# KiCad board haptic display 8x8 aisler.kicad_pcb (continued)
## Routing (per net, layer and track width the routed paths; a pad name or vN(x,y) marks a point on that pad's centre or on a via; arc(x,y) is an arc through that point) (continued)
  In2.Cu w0.15: 35.41,123.98 35.36,123.96 35,123.6 35,123.55 34.79,123.56 34.59,123.6 34.39,123.67 34.2,123.76 34.03,123.88 33.88,124.03 33.75,124.19 33.64,124.38 33.56,124.58 33.51,124.79 33.49,125 33.5,125.22 33.54,125.43 33.61,125.64 33.71,125.83 33.84,126.01 33.99,126.17 34.16,126.31 34.35,126.42 34.56,126.5 34.78,126.55 35,126.58 35.22,126.56 35.45,126.52 35.66,126.45 35.86,126.34 36.05,126.21 36.22,126.05 36.36,125.87 36.47,125.67 36.56,125.46 36.62,125.23 36.64,125 36.63,124.77 36.58,124.54 36.51,124.31 36.4,124.1 36.26,123.91 36.09,123.74 35.91,123.59 35.7,123.47 35.48,123.38 35.24,123.32 35,123.3 34.78,123.31 34.56,123.35 34.34,123.41 34.14,123.51 33.95,123.63 33.78,123.78 33.62,123.94 33.49,124.13 33.39,124.33 33.31,124.55 33.26,124.77 33.24,125 33.25,125.23 33.29,125.46 33.36,125.68 33.46,125.89 33.58,126.09 33.73,126.27 33.9,126.43 34.1,126.56 34.31,126.67 34.53,126.75 34.76,126.8 35,126.83 35.24,126.81 35.48,126.77 35.7,126.7 35.92,126.6 36.13,126.47 36.31,126.31 36.48,126.13 36.62,125.93 36.73,125.72 36.81,125.49 36.87,125.25 36.89,125 36.88,124.75 36.83,124.51 36.76,124.27 36.65,124.05 36.52,123.84 36.36,123.64 36.17,123.47 35.96,123.33 35.74,123.21 35.5,123.13 35.25,123.07 35,123.05 34.76,123.06 34.53,123.1 34.3,123.16 34.08,123.26 33.88,123.38 33.69,123.52 33.52,123.68 33.36,123.87 33.24,124.07 33.13,124.29 33.06,124.52 33.01,124.76 32.99,125 33,125.24 33.04,125.48 33.1,125.72 33.2,125.94 33.32,126.16 33.47,126.35 33.64,126.53 33.83,126.69 34.04,126.82 34.27,126.93 34.51,127.01 34.75,127.06 35,127.08 35.25,127.06 35.5,127.02 35.74,126.95 35.97,126.85 36.19,126.73 36.4,126.57 36.58,126.4 36.74,126.2 36.88,125.98 36.99,125.75 37.07,125.51 37.12,125.26 37.14,125 37.13,124.74 37.08,124.49 37.01,124.24 36.91,124 36.78,123.77 36.62,123.56 36.44,123.37 36.24,123.21 36.01,123.07 35.78,122.96 35.52,122.87 35.26,122.82 35,122.8 34.75,122.81 34.51,122.85 34.27,122.91 34.04,123 33.82,123.12 33.61,123.26 33.42,123.42 33.25,123.61 33.1,123.81 32.98,124.03 32.88,124.26 32.8,124.5 32.76,124.75 32.74,125 32.75,125.25 32.79,125.51 32.85,125.75 32.95,125.99 33.07,126.22 33.21,126.43 33.38,126.62 33.57,126.8 33.77,126.95 34,127.08 34.24,127.18 34.48,127.26 34.74,127.31 35,127.33 35.26,127.31 35.52,127.28 35.77,127.21 36.02,127.11 36.25,126.99 36.47,126.84 36.67,126.67 36.85,126.47 37,126.26 37.13,126.03 37.24,125.78 37.32,125.53 37.37,125.27 37.39,125 37.38,124.73 37.34,124.47 37.27,124.21 37.17,123.96 37.04,123.72 36.89,123.49 36.71,123.29 36.51,123.11 36.29,122.94 36.06,122.81 35.8,122.7 35.54,122.62 35.27,122.57 35,122.55 34.74,122.56 34.49,122.6 34.24,122.66 34,122.75 33.76,122.86 33.55,123 33.34,123.16 33.15,123.34 32.99,123.54 32.84,123.75 32.72,123.98 32.62,124.23 32.55,124.48 32.51,124.74 32.49,125 32.5,125.26 32.53,125.52 32.6,125.78 32.69,126.03 32.81,126.27 32.95,126.49 33.11,126.7 33.3,126.89 33.5,127.06 33.72,127.21 33.96,127.34 34.21,127.44 34.47,127.51 34.73,127.56 35,127.58 35.27,127.57 35.54,127.53 35.8,127.46 36.05,127.37 36.3,127.25 36.53,127.1 36.74,126.94 36.94,126.75 37.11,126.54 37.27,126.31 37.39,126.07 37.5,125.81 37.57,125.55 37.62,125.28 37.64,125 37.63,124.72 37.59,124.45 37.52,124.18 37.42,123.92 37.3,123.67 37.15,123.44 36.98,123.22 36.79,123.02 36.57,122.84 36.34,122.68 36.09,122.55 35.83,122.44 35.56,122.37 35.28,122.32 35,122.3 34.73,122.31 34.47,122.34 34.21,122.41 33.96,122.49 33.72,122.6 33.49,122.74 33.27,122.89 33.07,123.07 32.89,123.26 32.72,123.48 32.58,123.71 32.46,123.95 32.37,124.2 32.3,124.46 32.25,124.73 32.24,125 32.25,125.27 32.28,125.54 32.35,125.81 32.43,126.06 32.55,126.31 32.68,126.55 32.84,126.77 33.02,126.98 33.23,127.16 33.44,127.33 33.68,127.47 33.92,127.6 34.18,127.69 34.45,127.76 34.72,127.81 35,127.83 35.28,127.82 35.55,127.78 35.82,127.71 36.09,127.62 36.34,127.51 36.58,127.37 36.81,127.2 37.02,127.02 37.21,126.81 37.38,126.59 37.53,126.35 37.65,126.1 37.75,125.83 37.82,125.56 37.87,125.28 37.89,125 37.88,124.72 37.84,124.44 37.77,124.16 37.68,123.89 37.56,123.63 37.42,123.38 37.25,123.15 37.06,122.94 36.85,122.74 36.63,122.57 36.38,122.42 36.12,122.29 35.85,122.19 35.57,122.11 35.29,122.07 35,122.05 34.73,122.06 34.46,122.09 34.19,122.15 33.93,122.24 33.68,122.34 33.44,122.47 33.21,122.63 32.99,122.8 32.8,122.99 32.62,123.2 32.46,123.43 32.32,123.67 32.2,123.92 32.11,124.18 32.05,124.45 32,124.72 31.99,125 32,125.28 32.03,125.55 32.09,125.83 32.18,126.09 32.29,126.35 32.42,126.6 32.58,126.83 32.75,127.05 32.95,127.25 33.16,127.43 33.39,127.6 33.64,127.74 33.89,127.85 34.16,127.95 34.44,128.02 34.72,128.06 35,128.07 35.28,128.07 35.57,128.03 35.84,127.97 36.12,127.88 36.38,127.77 36.63,127.63 36.87,127.47 37.09,127.29 37.3,127.09 37.48,126.88 37.65,126.64 37.79,126.39 37.91,126.13 38.01,125.86 38.08,125.58 38.12,125.29 38.14,125 38.13,124.71 38.09,124.42 38.03,124.14 37.94,123.86 37.83,123.59 37.69,123.34 37.52,123.09 37.34,122.87 37.14,122.66 36.91,122.47 36.67,122.3 36.42,122.15 36.15,122.03 35.87,121.93 35.59,121.86 35.29,121.82 35,121.8 34.72,121.81 34.44,121.84 34.17,121.9 33.9,121.98 33.64,122.08 33.39,122.21 33.15,122.36 32.93,122.53 32.72,122.72 32.52,122.92 32.35,123.14 32.19,123.38 32.06,123.63 31.95,123.89 31.86,124.16 31.79,124.43 31.75,124.72 31.74,125 31.75,125.28 31.78,125.57 31.84,125.85 31.92,126.12 32.03,126.39 32.16,126.64 32.31,126.89 32.48,127.11 32.67,127.33 32.88,127.53 33.11,127.7 33.35,127.86 33.6,128 33.87,128.11 34.14,128.2 34.42,128.27 34.71,128.31 35,128.32 35.29,128.32 35.58,128.28 35.86,128.22 36.14,128.14 36.41,128.03 36.67,127.9 36.92,127.74 37.16,127.57 37.37,127.37 37.57,127.16 37.75,126.93 37.92,126.68 38.05,126.42 38.17,126.15 38.26,125.87 38.33,125.59 38.37,125.29 38.39,125 38.38,124.7 38.34,124.41 38.28,124.12 38.2,123.84 38.09,123.56 37.95,123.3 37.79,123.04 37.62,122.8 37.42,122.58 37.2,122.38 36.96,122.19 36.71,122.03 36.45,121.89 36.18,121.77 35.89,121.68 35.6,121.61 35.3,121.57 35,121.55 34.71,121.56 34.43,121.59 34.15,121.65 33.88,121.72 33.61,121.83 33.35,121.95 33.1,122.09 32.86,122.26 32.64,122.44 32.44,122.64 32.25,122.86 32.08,123.09 31.93,123.34 31.8,123.6 31.69,123.86 31.6,124.14 31.54,124.42 31.5,124.71 31.49,125 31.5,125.29 31.53,125.58 31.59,125.86 31.67,126.14 31.77,126.42 31.89,126.68 32.04,126.93 32.21,127.17 32.39,127.4 32.6,127.61 32.82,127.8 33.06,127.97 33.31,128.13 33.57,128.26 33.84,128.37 34.12,128.46 34.41,128.52 34.71,128.56 35,128.57 35.3,128.57 35.59,128.53 35.88,128.48 36.17,128.39 36.44,128.29 36.71,128.16 36.97,128.01 37.21,127.84 37.44,127.65 37.65,127.44 37.85,127.22 38.03,126.98 38.18,126.72 38.32,126.45 38.43,126.18 38.52,125.89 38.58,125.6 38.62,125.3 38.64,125 38.63,124.7 38.59,124.4 38.54,124.1 38.45,123.81 38.35,123.53 38.22,123.26 38.06,123 37.89,122.75 37.7,122.52 37.49,122.3 37.26,122.1 37.01,121.92 36.75,121.76 36.48,121.63 36.2,121.51 35.91,121.42 35.61,121.36 35.31,121.32 35,121.3 34.71,121.31 34.42,121.34 34.13,121.39 33.85,121.47 33.58,121.57 33.31,121.69 33.06,121.83 32.81,121.99 32.58,122.17 32.36,122.36 32.16,122.57 31.98,122.8 31.81,123.05 31.66,123.3 31.54,123.57 31.43,123.84 31.35,124.12 31.29,124.41 31.25,124.71 31.24,125 31.25,125.3 31.28,125.59 31.33,125.88 31.41,126.17 31.51,126.45 31.63,126.72 31.77,126.98 31.94,127.23 32.12,127.46 32.32,127.68 32.53,127.89 32.77,128.07 33.01,128.24 33.27,128.39 33.54,128.52 33.82,128.63 34.11,128.71 34.4,128.77 34.7,128.81 35,128.82 35.3,128.82 35.6,128.78 35.9,128.73 36.19,128.65 36.47,128.55 36.75,128.42 37.01,128.28 37.26,128.11 37.5,127.93 37.73,127.73 37.93,127.51 38.12,127.27 38.3,127.02 38.45,126.76 38.58,126.48 38.69,126.2 38.77,125.91 38.83,125.61 38.87,125.3 38.89,125 38.88,124.69 38.85,124.39 38.79,124.09 38.71,123.79 38.61,123.51 38.48,123.23 38.33,122.96 38.17,122.7 37.98,122.46 37.77,122.23 37.55,122.02 37.31,121.82 37.05,121.65 36.78,121.5 36.51,121.37 36.22,121.26 35.92,121.17 35.62,121.1 35.31,121.07 35,121.05 34.7,121.06 34.41,121.09 34.12,121.14 33.83,121.21 33.55,121.31 33.28,121.43 33.01,121.56 32.76,121.72 32.52,121.89 32.29,122.08 32.08,122.29 31.88,122.51 31.7,122.75 31.54,123 31.4,123.27 31.28,123.54 31.18,123.82 31.1,124.11 31.04,124.4 31,124.7 30.99,125 31,125.3 31.03,125.6 31.08,125.89 31.15,126.19 31.25,126.47 31.37,126.75 31.51,127.02 31.67,127.27 31.84,127.52 32.04,127.75 32.25,127.97 32.48,128.17 32.72,128.35 32.97,128.51 33.24,128.66 33.52,128.78 33.8,128.88 34.1,128.96 34.39,129.02 34.7,129.06 35,129.07 35.3,129.07 35.61,129.04 35.91,128.98 36.2,128.91 36.49,128.81 36.78,128.69 37.05,128.55 37.31,128.39 37.56,128.21 37.79,128.01 38.01,127.79 38.21,127.56 38.4,127.32 38.57,127.06 38.71,126.79 38.84,126.51 38.94,126.22 39.03,125.92 39.09,125.62 39.12,125.31 39.14,125 39.13,124.69 39.1,124.38 39.04,124.08 38.97,123.78 38.87,123.48 38.74,123.2 38.6,122.92 38.44,122.66 38.26,122.4 38.05,122.17 37.84,121.94 37.6,121.74 37.35,121.55 37.09,121.38 36.81,121.23 36.53,121.1 36.23,121 35.93,120.91 35.63,120.85 35.31,120.81 35,120.8 34.7,120.81 34.4,120.84 34.11,120.89 33.81,120.96 33.53,121.05 33.25,121.16 32.98,121.3 32.72,121.45 32.47,121.62 32.23,121.8 32.01,122.01 31.8,122.23 31.61,122.46 31.43,122.71 31.28,122.97 31.14,123.24 31.02,123.52 30.92,123.8 30.84,124.1 30.79,124.39 30.75,124.7 30.74,125 30.75,125.3 30.78,125.61 30.83,125.91 30.9,126.2 30.99,126.49 31.11,126.78 31.24,127.05 31.4,127.32 31.57,127.57 31.76,127.81 31.96,128.04 32.19,128.25 32.42,128.44 32.67,128.62 32.94,128.78 33.21,128.92 33.49,129.04 33.78,129.14 34.08,129.22 34.39,129.28 34.69,129.31 35,129.32 35.31,129.32 35.62,129.29 35.92,129.23 36.22,129.16 36.52,129.07 36.8,128.95 37.08,128.81 37.35,128.66 37.61,128.48 37.85,128.29 38.08,128.08 38.29,127.85 38.49,127.61 38.67,127.36 38.83,127.09 38.98,126.82 39.1,126.53 39.2,126.23 39.28,125.93 39.34,125.62 39.37,125.31 39.39,125 39.38,124.69 39.35,124.37 39.3,124.07 39.22,123.76 39.12,123.46 39.01,123.17 38.87,122.89 38.71,122.62 38.53,122.36 38.34,122.11 38.12,121.88 37.9,121.66 37.65,121.46 37.39,121.28 37.12,121.11 36.84,120.97 36.55,120.84 36.25,120.74 35.94,120.66 35.63,120.6 35.32,120.56 35,120.55 35,120.35 v1(35.35,120) ; 35.41,108.98 35.36,108.96 35,108.6 35,108.55 34.79,108.56 34.59,108.6 34.39,108.67 34.2,108.76 34.03,108.88 33.88,109.03 33.75,109.19 33.64,109.38 33.56,109.58 33.51,109.79 33.49,110 33.5,110.22 33.54,110.43 33.61,110.64 33.71,110.83 33.84,111.01 33.99,111.17 34.16,111.31 34.35,111.42 34.56,111.5 34.78,111.55 35,111.58 35.22,111.56 35.45,111.52 35.66,111.45 35.86,111.34 36.05,111.21 36.22,111.05 36.36,110.87 36.47,110.67 36.56,110.46 36.62,110.23 36.64,110 36.63,109.77 36.58,109.54 36.51,109.31 36.4,109.1 36.26,108.91 36.09,108.74 35.91,108.59 35.7,108.47 35.48,108.38 35.24,108.32 35,108.3 34.78,108.31 34.56,108.35 34.34,108.41 34.14,108.51 33.95,108.63 33.78,108.78 33.62,108.94 33.49,109.13 33.39,109.33 33.31,109.55 33.26,109.77 33.24,110 33.25,110.23 33.29,110.46 33.36,110.68 33.46,110.89 33.58,111.09 33.73,111.27 33.9,111.43 34.1,111.56 34.31,111.67 34.53,111.75 34.76,111.8 35,111.83 35.24,111.81 35.48,111.77 35.7,111.7 35.92,111.6 36.13,111.47 36.31,111.31 36.48,111.13 36.62,110.93 36.73,110.72 36.81,110.49 36.87,110.25 36.89,110 36.88,109.75 36.83,109.51 36.76,109.27 36.65,109.05 36.52,108.84 36.36,108.64 36.17,108.47 35.96,108.33 35.74,108.21 35.5,108.13 35.25,108.07 35,108.05 34.76,108.06 34.53,108.1 34.3,108.16 34.08,108.26 33.88,108.38 33.69,108.52 33.52,108.68 33.36,108.87 33.24,109.07 33.13,109.29 33.06,109.52 33.01,109.76 32.99,110 33,110.24 33.04,110.48 33.1,110.72 33.2,110.94 33.32,111.16 33.47,111.35 33.64,111.53 33.83,111.69 34.04,111.82 34.27,111.93 34.51,112.01 34.75,112.06 35,112.08 35.25,112.06 35.5,112.02 35.74,111.95 35.97,111.85 36.19,111.73 36.4,111.57 36.58,111.4 36.74,111.2 36.88,110.98 36.99,110.75 37.07,110.51 37.12,110.26 37.14,110 37.13,109.74 37.08,109.49 37.01,109.24 36.91,109 36.78,108.77 36.62,108.56 36.44,108.37 36.24,108.21 36.01,108.07 35.78,107.96 35.52,107.87 35.26,107.82 35,107.8 34.75,107.81 34.51,107.85 34.27,107.91 34.04,108 33.82,108.12 33.61,108.26 33.42,108.42 33.25,108.61 33.1,108.81 32.98,109.03 32.88,109.26 32.8,109.5 32.76,109.75 32.74,110 32.75,110.25 32.79,110.51 32.85,110.75 32.95,110.99 33.07,111.22 33.21,111.43 33.38,111.62 33.57,111.8 33.77,111.95 34,112.08 34.24,112.18 34.48,112.26 34.74,112.31 35,112.33 35.26,112.31 35.52,112.28 35.77,112.21 36.02,112.11 36.25,111.99 36.47,111.84 36.67,111.67 36.85,111.47 37,111.26 37.13,111.03 37.24,110.78 37.32,110.53 37.37,110.27 37.39,110 37.38,109.73 37.34,109.47 37.27,109.21 37.17,108.96 37.04,108.72 36.89,108.49 36.71,108.29 36.51,108.11 36.29,107.94 36.06,107.81 35.8,107.7 35.54,107.62 35.27,107.57 35,107.55 34.74,107.56 34.49,107.6 34.24,107.66 34,107.75 33.76,107.86 33.55,108 33.34,108.16 33.15,108.34 32.99,108.54 32.84,108.75 32.72,108.98 32.62,109.23 32.55,109.48 32.51,109.74 32.49,110 32.5,110.26 32.53,110.52 32.6,110.78 32.69,111.03 32.81,111.27 32.95,111.49 33.11,111.7 33.3,111.89 33.5,112.06 33.72,112.21 33.96,112.34 34.21,112.44 34.47,112.51 34.73,112.56 35,112.58 35.27,112.57 35.54,112.53 35.8,112.46 36.05,112.37 36.3,112.25 36.53,112.1 36.74,111.94 36.94,111.75 37.11,111.54 37.27,111.31 37.39,111.07 37.5,110.81 37.57,110.55 37.62,110.28 37.64,110 37.63,109.72 37.59,109.45 37.52,109.18 37.42,108.92 37.3,108.67 37.15,108.44 36.98,108.22 36.79,108.02 36.57,107.84 36.34,107.68 36.09,107.55 35.83,107.44 35.56,107.37 35.28,107.32 35,107.3 34.73,107.31 34.47,107.34 34.21,107.41 33.96,107.49 33.72,107.6 33.49,107.74 33.27,107.89 33.07,108.07 32.89,108.26 32.72,108.48 32.58,108.71 32.46,108.95 32.37,109.2 32.3,109.46 32.25,109.73 32.24,110 32.25,110.27 32.28,110.54 32.35,110.81 32.43,111.06 32.55,111.31 32.68,111.55 32.84,111.77 33.02,111.98 33.23,112.16 33.44,112.33 33.68,112.47 33.92,112.6 34.18,112.69 34.45,112.76 34.72,112.81 35,112.83 35.28,112.82 35.55,112.78 35.82,112.71 36.09,112.62 36.34,112.51 36.58,112.37 36.81,112.2 37.02,112.02 37.21,111.81 37.38,111.59 37.53,111.35 37.65,111.1 37.75,110.83 37.82,110.56 37.87,110.28 37.89,110 37.88,109.72 37.84,109.44 37.77,109.16 37.68,108.89 37.56,108.63 37.42,108.38 37.25,108.15 37.06,107.94 36.85,107.74 36.63,107.57 36.38,107.42 36.12,107.29 35.85,107.19 35.57,107.11 35.29,107.07 35,107.05 34.73,107.06 34.46,107.09 34.19,107.15 33.93,107.24 33.68,107.34 33.44,107.47 33.21,107.63 32.99,107.8 32.8,107.99 32.62,108.2 32.46,108.43 32.32,108.67 32.2,108.92 32.11,109.18 32.05,109.45 32,109.72 31.99,110 32,110.28 32.03,110.55 32.09,110.83 32.18,111.09 32.29,111.35 32.42,111.6 32.58,111.83 32.75,112.05 32.95,112.25 33.16,112.43 33.39,112.6 33.64,112.74 33.89,112.85 34.16,112.95 34.44,113.02 34.72,113.06 35,113.08 35.28,113.07 35.57,113.03 35.84,112.97 36.12,112.88 36.38,112.77 36.63,112.63 36.87,112.47 37.09,112.29 37.3,112.09 37.48,111.88 37.65,111.64 37.79,111.39 37.91,111.13 38.01,110.86 38.08,110.58 38.12,110.29 38.14,110 38.13,109.71 38.09,109.42 38.03,109.14 37.94,108.86 37.83,108.59 37.69,108.34 37.52,108.09 37.34,107.87 37.14,107.66 36.91,107.47 36.67,107.3 36.42,107.15 36.15,107.03 35.87,106.93 35.59,106.86 35.29,106.82 35,106.8 34.72,106.81 34.44,106.84 34.17,106.9 33.9,106.98 33.64,107.08 33.39,107.21 33.15,107.36 32.93,107.53 32.72,107.72 32.52,107.92 32.35,108.14 32.19,108.38 32.06,108.63 31.95,108.89 31.86,109.16 31.79,109.43 31.75,109.72 31.74,110 31.75,110.28 31.78,110.57 31.84,110.85 31.92,111.12 32.03,111.39 32.16,111.64 32.31,111.89 32.48,112.11 32.67,112.33 32.88,112.53 33.11,112.7 33.35,112.86 33.6,113 33.87,113.11 34.14,113.2 34.42,113.27 34.71,113.31 35,113.33 35.29,113.32 35.58,113.28 35.86,113.22 36.14,113.14 36.41,113.03 36.67,112.9 36.92,112.74 37.16,112.57 37.37,112.37 37.57,112.16 37.75,111.93 37.92,111.68 38.05,111.42 38.17,111.15 38.26,110.87 38.33,110.59 38.37,110.29 38.39,110 38.38,109.7 38.34,109.41 38.28,109.12 38.2,108.84 38.09,108.56 37.95,108.3 37.79,108.04 37.62,107.8 37.42,107.58 37.2,107.38 36.96,107.19 36.71,107.03 36.45,106.89 36.18,106.77 35.89,106.68 35.6,106.61 35.3,106.57 35,106.55 34.71,106.56 34.43,106.59 34.15,106.65 33.88,106.72 33.61,106.83 33.35,106.95 33.1,107.09 32.86,107.26 32.64,107.44 32.44,107.64 32.25,107.86 32.08,108.09 31.93,108.34 31.8,108.6 31.69,108.86 31.6,109.14 31.54,109.42 31.5,109.71 31.49,110 31.5,110.29 31.53,110.58 31.59,110.86 31.67,111.14 31.77,111.42 31.89,111.68 32.04,111.93 32.21,112.17 32.39,112.4 32.6,112.61 32.82,112.8 33.06,112.97 33.31,113.13 33.57,113.26 33.84,113.37 34.12,113.46 34.41,113.52 34.71,113.56 35,113.58 35.3,113.57 35.59,113.53 35.88,113.48 36.17,113.39 36.44,113.29 36.71,113.16 36.97,113.01 37.21,112.84 37.44,112.65 37.65,112.44 37.85,112.22 38.03,111.98 38.18,111.72 38.32,111.45 38.43,111.18 38.52,110.89 38.58,110.6 38.62,110.3 38.64,110 38.63,109.7 38.59,109.4 38.54,109.1 38.45,108.81 38.35,108.53 38.22,108.26 38.06,108 37.89,107.75 37.7,107.52 37.49,107.3 37.26,107.1 37.01,106.92 36.75,106.76 36.48,106.63 36.2,106.51 35.91,106.42 35.61,106.36 35.31,106.32 35,106.3 34.71,106.31 34.42,106.34 34.13,106.39 33.85,106.47 33.58,106.57 33.31,106.69 33.06,106.83 32.81,106.99 32.58,107.17 32.36,107.36 32.16,107.57 31.98,107.8 31.81,108.05 31.66,108.3 31.54,108.57 31.43,108.84 31.35,109.12 31.29,109.41 31.25,109.71 31.24,110 31.25,110.3 31.28,110.59 31.33,110.88 31.41,111.17 31.51,111.45 31.63,111.72 31.77,111.98 31.94,112.23 32.12,112.46 32.32,112.68 32.53,112.89 32.77,113.07 33.01,113.24 33.27,113.39 33.54,113.52 33.82,113.63 34.11,113.71 34.4,113.77 34.7,113.81 35,113.83 35.3,113.82 35.6,113.78 35.9,113.73 36.19,113.65 36.47,113.55 36.75,113.42 37.01,113.28 37.26,113.11 37.5,112.93 37.73,112.73 37.93,112.51 38.12,112.27 38.3,112.02 38.45,111.76 38.58,111.48 38.69,111.2 38.77,110.91 38.83,110.61 38.87,110.3 38.89,110 38.88,109.69 38.85,109.39 38.79,109.09 38.71,108.79 38.61,108.51 38.48,108.23 38.33,107.96 38.17,107.7 37.98,107.46 37.77,107.23 37.55,107.02 37.31,106.82 37.05,106.65 36.78,106.5 36.51,106.37 36.22,106.26 35.92,106.17 35.62,106.1 35.31,106.07 35,106.05 34.7,106.06 34.41,106.09 34.12,106.14 33.83,106.21 33.55,106.31 33.28,106.43 33.01,106.56 32.76,106.72 32.52,106.89 32.29,107.08 32.08,107.29 31.88,107.51 31.7,107.75 31.54,108 31.4,108.27 31.28,108.54 31.18,108.82 31.1,109.11 31.04,109.4 31,109.7 30.99,110 31,110.3 31.03,110.6 31.08,110.89 31.15,111.19 31.25,111.47 31.37,111.75 31.51,112.02 31.67,112.27 31.84,112.52 32.04,112.75 32.25,112.97 32.48,113.17 32.72,113.35 32.97,113.51 33.24,113.66 33.52,113.78 33.8,113.88 34.1,113.96 34.39,114.02 34.7,114.06 35,114.08 35.3,114.07 35.61,114.04 35.91,113.98 36.2,113.91 36.49,113.81 36.78,113.69 37.05,113.55 37.31,113.39 37.56,113.21 37.79,113.01 38.01,112.79 38.21,112.56 38.4,112.32 38.57,112.06 38.71,111.79 38.84,111.51 38.94,111.22 39.03,110.92 39.09,110.62 39.12,110.31 39.14,110 39.13,109.69 39.1,109.38 39.04,109.08 38.97,108.78 38.87,108.48 38.74,108.2 38.6,107.92 38.44,107.66 38.26,107.4 38.05,107.17 37.84,106.94 37.6,106.74 37.35,106.55 37.09,106.38 36.81,106.23 36.53,106.1 36.23,106 35.93,105.91 35.63,105.85 35.31,105.81 35,105.8 34.7,105.81 34.4,105.84 34.11,105.89 33.81,105.96 33.53,106.05 33.25,106.16 32.98,106.3 32.72,106.45 32.47,106.62 32.23,106.8 32.01,107.01 31.8,107.23 31.61,107.46 31.43,107.71 31.28,107.97 31.14,108.24 31.02,108.52 30.92,108.8 30.84,109.1 30.79,109.39 30.75,109.7 30.74,110 30.75,110.3 30.78,110.61 30.83,110.91 30.9,111.2 30.99,111.49 31.11,111.78 31.24,112.05 31.4,112.32 31.57,112.57 31.76,112.81 31.96,113.04 32.19,113.25 32.42,113.44 32.67,113.62 32.94,113.78 33.21,113.92 33.49,114.04 33.78,114.14 34.08,114.22 34.39,114.28 34.69,114.31 35,114.33 35.31,114.32 35.62,114.29 35.92,114.23 36.22,114.16 36.52,114.07 36.8,113.95 37.08,113.81 37.35,113.66 37.61,113.48 37.85,113.29 38.08,113.08 38.29,112.85 38.49,112.61 38.67,112.36 38.83,112.09 38.98,111.82 39.1,111.53 39.2,111.23 39.28,110.93 39.34,110.62 39.37,110.31 39.39,110 39.38,109.69 39.35,109.37 39.3,109.07 39.22,108.76 39.12,108.46 39.01,108.17 38.87,107.89 38.71,107.62 38.53,107.36 38.34,107.11 38.12,106.88 37.9,106.66 37.65,106.46 37.39,106.28 37.12,106.11 36.84,105.97 36.55,105.84 36.25,105.74 35.94,105.66 35.63,105.6 35.32,105.56 35,105.55 35,105.35 v1(35.35,105) ; 35.41,93.98 35.36,93.96 35,93.6 35,93.55 34.79,93.56 34.59,93.6 34.39,93.67 34.2,93.76 34.03,93.88 33.88,94.03 33.75,94.19 33.64,94.38 33.56,94.58 33.51,94.79 33.49,95 33.5,95.22 33.54,95.43 33.61,95.64 33.71,95.83 33.84,96.01 33.99,96.17 34.16,96.31 34.35,96.42 34.56,96.5 34.78,96.55 35,96.58 35.22,96.56 35.45,96.52 35.66,96.45 35.86,96.34 36.05,96.21 36.22,96.05 36.36,95.87 36.47,95.67 36.56,95.46 36.62,95.23 36.64,95 36.63,94.77 36.58,94.54 36.51,94.31 36.4,94.1 36.26,93.91 36.09,93.74 35.91,93.59 35.7,93.47 35.48,93.38 35.24,93.32 35,93.3 34.78,93.31 34.56,93.35 34.34,93.41 34.14,93.51 33.95,93.63 33.78,93.78 33.62,93.94 33.49,94.13 33.39,94.33 33.31,94.55 33.26,94.77 33.24,95 33.25,95.23 33.29,95.46 33.36,95.68 33.46,95.89 33.58,96.09 33.73,96.27 33.9,96.43 34.1,96.56 34.31,96.67 34.53,96.75 34.76,96.8 35,96.83 35.24,96.81 35.48,96.77 35.7,96.7 35.92,96.6 36.13,96.47 36.31,96.31 36.48,96.13 36.62,95.93 36.73,95.72 36.81,95.49 36.87,95.25 36.89,95 36.88,94.75 36.83,94.51 36.76,94.27 36.65,94.05 36.52,93.84 36.36,93.64 36.17,93.47 35.96,93.33 35.74,93.21 35.5,93.13 35.25,93.07 35,93.05 34.76,93.06 34.53,93.1 34.3,93.16 34.08,93.26 33.88,93.38 33.69,93.52 33.52,93.68 33.36,93.87 33.24,94.07 33.13,94.29 33.06,94.52 33.01,94.76 32.99,95 33,95.24 33.04,95.48 33.1,95.72 33.2,95.94 33.32,96.16 33.47,96.35 33.64,96.53 33.83,96.69 34.04,96.82 34.27,96.93 34.51,97.01 34.75,97.06 35,97.08 35.25,97.06 35.5,97.02 35.74,96.95 35.97,96.85 36.19,96.73 36.4,96.57 36.58,96.4 36.74,96.2 36.88,95.98 36.99,95.75 37.07,95.51 37.12,95.26 37.14,95 37.13,94.74 37.08,94.49 37.01,94.24 36.91,94 36.78,93.77 36.62,93.56 36.44,93.37 36.24,93.21 36.01,93.07 35.78,92.96 35.52,92.87 35.26,92.82 35,92.8 34.75,92.81 34.51,92.85 34.27,92.91 34.04,93 33.82,93.12 33.61,93.26 33.42,93.42 33.25,93.61 33.1,93.81 32.98,94.03 32.88,94.26 32.8,94.5 32.76,94.75 32.74,95 32.75,95.25 32.79,95.51 32.85,95.75 32.95,95.99 33.07,96.22 33.21,96.43 33.38,96.62 33.57,96.8 33.77,96.95 34,97.08 34.24,97.18 34.48,97.26 34.74,97.31 35,97.33 35.26,97.31 35.52,97.28 35.77,97.21 36.02,97.11 36.25,96.99 36.47,96.84 36.67,96.67 36.85,96.47 37,96.26 37.13,96.03 37.24,95.78 37.32,95.53 37.37,95.27 37.39,95 37.38,94.73 37.34,94.47 37.27,94.21 37.17,93.96 37.04,93.72 36.89,93.49 36.71,93.29 36.51,93.11 36.29,92.94 36.06,92.81 35.8,92.7 35.54,92.62 35.27,92.57 35,92.55 34.74,92.56 34.49,92.6 34.24,92.66 34,92.75 33.76,92.86 33.55,93 33.34,93.16 33.15,93.34 32.99,93.54 32.84,93.75 32.72,93.98 32.62,94.23 32.55,94.48 32.51,94.74 32.49,95 32.5,95.26 32.53,95.52 32.6,95.78 32.69,96.03 32.81,96.27 32.95,96.49 33.11,96.7 33.3,96.89 33.5,97.06 33.72,97.21 33.96,97.34 34.21,97.44 34.47,97.51 34.73,97.56 35,97.58 35.27,97.57 35.54,97.53 35.8,97.46 36.05,97.37 36.3,97.25 36.53,97.1 36.74,96.94 36.94,96.75 37.11,96.54 37.27,96.31 37.39,96.07 37.5,95.81 37.57,95.55 37.62,95.28 37.64,95 37.63,94.72 37.59,94.45 37.52,94.18 37.42,93.92 37.3,93.67 37.15,93.44 36.98,93.22 36.79,93.02 36.57,92.84 36.34,92.68 36.09,92.55 35.83,92.44 35.56,92.37 35.28,92.32 35,92.3 34.73,92.31 34.47,92.34 34.21,92.41 33.96,92.49 33.72,92.6 33.49,92.74 33.27,92.89 33.07,93.07 32.89,93.26 32.72,93.48 32.58,93.71 32.46,93.95 32.37,94.2 32.3,94.46 32.25,94.73 32.24,95 32.25,95.27 32.28,95.54 32.35,95.81 32.43,96.06 32.55,96.31 32.68,96.55 32.84,96.77 33.02,96.98 33.23,97.16 33.44,97.33 33.68,97.47 33.92,97.6 34.18,97.69 34.45,97.76 34.72,97.81 35,97.83 35.28,97.82 35.55,97.78 35.82,97.71 36.09,97.62 36.34,97.51 36.58,97.37 36.81,97.2 37.02,97.02 37.21,96.81 37.38,96.59 37.53,96.35 37.65,96.1 37.75,95.83 37.82,95.56 37.87,95.28 37.89,95 37.88,94.72 37.84,94.44 37.77,94.16 37.68,93.89 37.56,93.63 37.42,93.38 37.25,93.15 37.06,92.94 36.85,92.74 36.63,92.57 36.38,92.42 36.12,92.29 35.85,92.19 35.57,92.11 35.29,92.07 35,92.05 34.73,92.06 34.46,92.09 34.19,92.15 33.93,92.24 33.68,92.34 33.44,92.47 33.21,92.63 32.99,92.8 32.8,92.99 32.62,93.2 32.46,93.43 32.32,93.67 32.2,93.92 32.11,94.18 32.05,94.45 32,94.72 31.99,95 32,95.28 32.03,95.55 32.09,95.83 32.18,96.09 32.29,96.35 32.42,96.6 32.58,96.83 32.75,97.05 32.95,97.25 33.16,97.43 33.39,97.6 33.64,97.74 33.89,97.85 34.16,97.95 34.44,98.02 34.72,98.06 35,98.08 35.28,98.07 35.57,98.03 35.84,97.97 36.12,97.88 36.38,97.77 36.63,97.63 36.87,97.47 37.09,97.29 37.3,97.09 37.48,96.88 37.65,96.64 37.79,96.39 37.91,96.13 38.01,95.86 38.08,95.58 38.12,95.29 38.14,95 38.13,94.71 38.09,94.42 38.03,94.14 37.94,93.86 37.83,93.59 37.69,93.34 37.52,93.09 37.34,92.87 37.14,92.66 36.91,92.47 36.67,92.3 36.42,92.15 36.15,92.03 35.87,91.93 35.59,91.86 35.29,91.82 35,91.8 34.72,91.81 34.44,91.84 34.17,91.9 33.9,91.98 33.64,92.08 33.39,92.21 33.15,92.36 32.93,92.53 32.72,92.72 32.52,92.92 32.35,93.14 32.19,93.38 32.06,93.63 31.95,93.89 31.86,94.16 31.79,94.43 31.75,94.72 31.74,95 31.75,95.28 31.78,95.57 31.84,95.85 31.92,96.12 32.03,96.39 32.16,96.64 32.31,96.89 32.48,97.11 32.67,97.33 32.88,97.53 33.11,97.7 33.35,97.86 33.6,98 33.87,98.11 34.14,98.2 34.42,98.27 34.71,98.31 35,98.33 35.29,98.32 35.58,98.28 35.86,98.22 36.14,98.14 36.41,98.03 36.67,97.9 36.92,97.74 37.16,97.57 37.37,97.37 37.57,97.16 37.75,96.93 37.92,96.68 38.05,96.42 38.17,96.15 38.26,95.87 38.33,95.59 38.37,95.29 38.39,95 38.38,94.7 38.34,94.41 38.28,94.12 38.2,93.84 38.09,93.56 37.95,93.3 37.79,93.04 37.62,92.8 37.42,92.58 37.2,92.38 36.96,92.19 36.71,92.03 36.45,91.89 36.18,91.77 35.89,91.68 35.6,91.61 35.3,91.57 35,91.55 34.71,91.56 34.43,91.59 34.15,91.65 33.88,91.72 33.61,91.83 33.35,91.95 33.1,92.09 32.86,92.26 32.64,92.44 32.44,92.64 32.25,92.86 32.08,93.09 31.93,93.34 31.8,93.6 31.69,93.86 31.6,94.14 31.54,94.42 31.5,94.71 31.49,95 31.5,95.29 31.53,95.58 31.59,95.86 31.67,96.14 31.77,96.42 31.89,96.68 32.04,96.93 32.21,97.17 32.39,97.4 32.6,97.61 32.82,97.8 33.06,97.97 33.31,98.13 33.57,98.26 33.84,98.37 34.12,98.46 34.41,98.52 34.71,98.56 35,98.58 35.3,98.57 35.59,98.53 35.88,98.48 36.17,98.39 36.44,98.29 36.71,98.16 36.97,98.01 37.21,97.84 37.44,97.65 37.65,97.44 37.85,97.22 38.03,96.98 38.18,96.72 38.32,96.45 38.43,96.18 38.52,95.89 38.58,95.6 38.62,95.3 38.64,95 38.63,94.7 38.59,94.4 38.54,94.1 38.45,93.81 38.35,93.53 38.22,93.26 38.06,93 37.89,92.75 37.7,92.52 37.49,92.3 37.26,92.1 37.01,91.92 36.75,91.76 36.48,91.63 36.2,91.51 35.91,91.42 35.61,91.36 35.31,91.32 35,91.3 34.71,91.31 34.42,91.34 34.13,91.39 33.85,91.47 33.58,91.57 33.31,91.69 33.06,91.83 32.81,91.99 32.58,92.17 32.36,92.36 32.16,92.57 31.98,92.8 31.81,93.05 31.66,93.3 31.54,93.57 31.43,93.84 31.35,94.12 31.29,94.41 31.25,94.71 31.24,95 31.25,95.3 31.28,95.59 31.33,95.88 31.41,96.17 31.51,96.45 31.63,96.72 31.77,96.98 31.94,97.23 32.12,97.46 32.32,97.68 32.53,97.89 32.77,98.07 33.01,98.24 33.27,98.39 33.54,98.52 33.82,98.63 34.11,98.71 34.4,98.77 34.7,98.81 35,98.83 35.3,98.82 35.6,98.78 35.9,98.73 36.19,98.65 36.47,98.55 36.75,98.42 37.01,98.28 37.26,98.11 37.5,97.93 37.73,97.73 37.93,97.51 38.12,97.27 38.3,97.02 38.45,96.76 38.58,96.48 38.69,96.2 38.77,95.91 38.83,95.61 38.87,95.3 38.89,95 38.88,94.69 38.85,94.39 38.79,94.09 38.71,93.79 38.61,93.51 38.48,93.23 38.33,92.96 38.17,92.7 37.98,92.46 37.77,92.23 37.55,92.02 37.31,91.82 37.05,91.65 36.78,91.5 36.51,91.37 36.22,91.26 35.92,91.17 35.62,91.1 35.31,91.07 35,91.05 34.7,91.06 34.41,91.09 34.12,91.14 33.83,91.21 33.55,91.31 33.28,91.43 33.01,91.56 32.76,91.72 32.52,91.89 32.29,92.08 32.08,92.29 31.88,92.51 31.7,92.75 31.54,93 31.4,93.27 31.28,93.54 31.18,93.82 31.1,94.11 31.04,94.4 31,94.7 30.99,95 31,95.3 31.03,95.6 31.08,95.89 31.15,96.19 31.25,96.47 31.37,96.75 31.51,97.02 31.67,97.27 31.84,97.52 32.04,97.75 32.25,97.97 32.48,98.17 32.72,98.35 32.97,98.51 33.24,98.66 33.52,98.78 33.8,98.88 34.1,98.96 34.39,99.02 34.7,99.06 35,99.08 35.3,99.07 35.61,99.04 35.91,98.98 36.2,98.91 36.49,98.81 36.78,98.69 37.05,98.55 37.31,98.39 37.56,98.21 37.79,98.01 38.01,97.79 38.21,97.56 38.4,97.32 38.57,97.06 38.71,96.79 38.84,96.51 38.94,96.22 39.03,95.92 39.09,95.62 39.12,95.31 39.14,95 39.13,94.69 39.1,94.38 39.04,94.08 38.97,93.78 38.87,93.48 38.74,93.2 38.6,92.92 38.44,92.66 38.26,92.4 38.05,92.17 37.84,91.94 37.6,91.74 37.35,91.55 37.09,91.38 36.81,91.23 36.53,91.1 36.23,91 35.93,90.91 35.63,90.85 35.31,90.81 35,90.8 34.7,90.81 34.4,90.84 34.11,90.89 33.81,90.96 33.53,91.05 33.25,91.16 32.98,91.3 32.72,91.45 32.47,91.62 32.23,91.8 32.01,92.01 31.8,92.23 31.61,92.46 31.43,92.71 31.28,92.97 31.14,93.24 31.02,93.52 30.92,93.8 30.84,94.1 30.79,94.39 30.75,94.7 30.74,95 30.75,95.3 30.78,95.61 30.83,95.91 30.9,96.2 30.99,96.49 31.11,96.78 31.24,97.05 31.4,97.32 31.57,97.57 31.76,97.81 31.96,98.04 32.19,98.25 32.42,98.44 32.67,98.62 32.94,98.78 33.21,98.92 33.49,99.04 33.78,99.14 34.08,99.22 34.39,99.28 34.69,99.31 35,99.33 35.31,99.32 35.62,99.29 35.92,99.23 36.22,99.16 36.52,99.07 36.8,98.95 37.08,98.81 37.35,98.66 37.61,98.48 37.85,98.29 38.08,98.08 38.29,97.85 38.49,97.61 38.67,97.36 38.83,97.09 38.98,96.82 39.1,96.53 39.2,96.23 39.28,95.93 39.34,95.62 39.37,95.31 39.39,95 39.38,94.69 39.35,94.37 39.3,94.07 39.22,93.76 39.12,93.46 39.01,93.17 38.87,92.89 38.71,92.62 38.53,92.36 38.34,92.11 38.12,91.88 37.9,91.66 37.65,91.46 37.39,91.28 37.12,91.11 36.84,90.97 36.55,90.84 36.25,90.74 35.94,90.66 35.63,90.6 35.32,90.56 35,90.55 35,90.35 v1(35.35,90) ; 35.41,78.98 35.36,78.96 35,78.6 35,78.55 34.79,78.56 34.59,78.6 34.39,78.67 34.2,78.76 34.03,78.88 33.88,79.03 33.75,79.19 33.64,79.38 33.56,79.58 33.51,79.79 33.49,80 33.5,80.22 33.54,80.43 33.61,80.64 33.71,80.83 33.84,81.01 33.99,81.17 34.16,81.31 34.35,81.42 34.56,81.5 34.78,81.55 35,81.58 35.22,81.56 35.45,81.52 35.66,81.45 35.86,81.34 36.05,81.21 36.22,81.05 36.36,80.87 36.47,80.67 36.56,80.46 36.62,80.23 36.64,80 36.63,79.77 36.58,79.54 36.51,79.31 36.4,79.1 36.26,78.91 36.09,78.74 35.91,78.59 35.7,78.47 35.48,78.38 35.24,78.32 35,78.3 34.78,78.31 34.56,78.35 34.34,78.41 34.14,78.51 33.95,78.63 33.78,78.78 33.62,78.94 33.49,79.13 33.39,79.33 33.31,79.55 33.26,79.77 33.24,80 33.25,80.23 33.29,80.46 33.36,80.68 33.46,80.89 33.58,81.09 33.73,81.27 33.9,81.43 34.1,81.56 34.31,81.67 34.53,81.75 34.76,81.8 35,81.83 35.24,81.81 35.48,81.77 35.7,81.7 35.92,81.6 36.13,81.47 36.31,81.31 36.48,81.13 36.62,80.93 36.73,80.72 36.81,80.49 36.87,80.25 36.89,80 36.88,79.75 36.83,79.51 36.76,79.27 36.65,79.05 36.52,78.84 36.36,78.64 36.17,78.47 35.96,78.33 35.74,78.21 35.5,78.13 35.25,78.07 35,78.05 34.76,78.06 34.53,78.1 34.3,78.16 34.08,78.26 33.88,78.38 33.69,78.52 33.52,78.68 33.36,78.87 33.24,79.07 33.13,79.29 33.06,79.52 33.01,79.76 32.99,80 33,80.24 33.04,80.48 33.1,80.72 33.2,80.94 33.32,81.16 33.47,81.35 33.64,81.53 33.83,81.69 34.04,81.82 34.27,81.93 34.51,82.01 34.75,82.06 35,82.08 35.25,82.06 35.5,82.02 35.74,81.95 35.97,81.85 36.19,81.73 36.4,81.57 36.58,81.4 36.74,81.2 36.88,80.98 36.99,80.75 37.07,80.51 37.12,80.26 37.14,80 37.13,79.74 37.08,79.49 37.01,79.24 36.91,79 36.78,78.77 36.62,78.56 36.44,78.37 36.24,78.21 36.01,78.07 35.78,77.96 35.52,77.87 35.26,77.82 35,77.8 34.75,77.81 34.51,77.85 34.27,77.91 34.04,78 33.82,78.12 33.61,78.26 33.42,78.42 33.25,78.61 33.1,78.81 32.98,79.03 32.88,79.26 32.8,79.5 32.76,79.75 32.74,80 32.75,80.25 32.79,80.51 32.85,80.75 32.95,80.99 33.07,81.22 33.21,81.43 33.38,81.62 33.57,81.8 33.77,81.95 34,82.08 34.24,82.18 34.48,82.26 34.74,82.31 35,82.33 35.26,82.31 35.52,82.28 35.77,82.21 36.02,82.11 36.25,81.99 36.47,81.84 36.67,81.67 36.85,81.47 37,81.26 37.13,81.03 37.24,80.78 37.32,80.53 37.37,80.27 37.39,80 37.38,79.73 37.34,79.47 37.27,79.21 37.17,78.96 37.04,78.72 36.89,78.49 36.71,78.29 36.51,78.11 36.29,77.94 36.06,77.81 35.8,77.7 35.54,77.62 35.27,77.57 35,77.55 34.74,77.56 34.49,77.6 34.24,77.66 34,77.75 33.76,77.86 33.55,78 33.34,78.16 33.15,78.34 32.99,78.54 32.84,78.75 32.72,78.98 32.62,79.23 32.55,79.48 32.51,79.74 32.49,80 32.5,80.26 32.53,80.52 32.6,80.78 32.69,81.03 32.81,81.27 32.95,81.49 33.11,81.7 33.3,81.89 33.5,82.06 33.72,82.21 33.96,82.34 34.21,82.44 34.47,82.51 34.73,82.56 35,82.58 35.27,82.57 35.54,82.53 35.8,82.46 36.05,82.37 36.3,82.25 36.53,82.1 36.74,81.94 36.94,81.75 37.11,81.54 37.27,81.31 37.39,81.07 37.5,80.81 37.57,80.55 37.62,80.28 37.64,80 37.63,79.72 37.59,79.45 37.52,79.18 37.42,78.92 37.3,78.67 37.15,78.44 36.98,78.22 36.79,78.02 36.57,77.84 36.34,77.68 36.09,77.55 35.83,77.44 35.56,77.37 35.28,77.32 35,77.3 34.73,77.31 34.47,77.34 34.21,77.41 33.96,77.49 33.72,77.6 33.49,77.74 33.27,77.89 33.07,78.07 32.89,78.26 32.72,78.48 32.58,78.71 32.46,78.95 32.37,79.2 32.3,79.46 32.25,79.73 32.24,80 32.25,80.27 32.28,80.54 32.35,80.81 32.43,81.06 32.55,81.31 32.68,81.55 32.84,81.77 33.02,81.98 33.23,82.16 33.44,82.33 33.68,82.47 33.92,82.6 34.18,82.69 34.45,82.76 34.72,82.81 35,82.83 35.28,82.82 35.55,82.78 35.82,82.71 36.09,82.62 36.34,82.51 36.58,82.37 36.81,82.2 37.02,82.02 37.21,81.81 37.38,81.59 37.53,81.35 37.65,81.1 37.75,80.83 37.82,80.56 37.87,80.28 37.89,80 37.88,79.72 37.84,79.44 37.77,79.16 37.68,78.89 37.56,78.63 37.42,78.38 37.25,78.15 37.06,77.94 36.85,77.74 36.63,77.57 36.38,77.42 36.12,77.29 35.85,77.19 35.57,77.11 35.29,77.07 35,77.05 34.73,77.06 34.46,77.09 34.19,77.15 33.93,77.24 33.68,77.34 33.44,77.47 33.21,77.63 32.99,77.8 32.8,77.99 32.62,78.2 32.46,78.43 32.32,78.67 32.2,78.92 32.11,79.18 32.05,79.45 32,79.72 31.99,80 32,80.28 32.03,80.55 32.09,80.83 32.18,81.09 32.29,81.35 32.42,81.6 32.58,81.83 32.75,82.05 32.95,82.25 33.16,82.43 33.39,82.6 33.64,82.74 33.89,82.85 34.16,82.95 34.44,83.02 34.72,83.06 35,83.08 35.28,83.07 35.57,83.03 35.84,82.97 36.12,82.88 36.38,82.77 36.63,82.63 36.87,82.47 37.09,82.29 37.3,82.09 37.48,81.88 37.65,81.64 37.79,81.39 37.91,81.13 38.01,80.86 38.08,80.58 38.12,80.29 38.14,80 38.13,79.71 38.09,79.42 38.03,79.14 37.94,78.86 37.83,78.59 37.69,78.34 37.52,78.09 37.34,77.87 37.14,77.66 36.91,77.47 36.67,77.3 36.42,77.15 36.15,77.03 35.87,76.93 35.59,76.86 35.29,76.82 35,76.8 34.72,76.81 34.44,76.84 34.17,76.9 33.9,76.98 33.64,77.08 33.39,77.21 33.15,77.36 32.93,77.53 32.72,77.72 32.52,77.92 32.35,78.14 32.19,78.38 32.06,78.63 31.95,78.89 31.86,79.16 31.79,79.43 31.75,79.72 31.74,80 31.75,80.28 31.78,80.57 31.84,80.85 31.92,81.12 32.03,81.39 32.16,81.64 32.31,81.89 32.48,82.11 32.67,82.33 32.88,82.53 33.11,82.7 33.35,82.86 33.6,83 33.87,83.11 34.14,83.2 34.42,83.27 34.71,83.31 35,83.33 35.29,83.32 35.58,83.28 35.86,83.22 36.14,83.14 36.41,83.03 36.67,82.9 36.92,82.74 37.16,82.57 37.37,82.37 37.57,82.16 37.75,81.93 37.92,81.68 38.05,81.42 38.17,81.15 38.26,80.87 38.33,80.59 38.37,80.29 38.39,80 38.38,79.7 38.34,79.41 38.28,79.12 38.2,78.84 38.09,78.56 37.95,78.3 37.79,78.04 37.62,77.8 37.42,77.58 37.2,77.38 36.96,77.19 36.71,77.03 36.45,76.89 36.18,76.77 35.89,76.68 35.6,76.61 35.3,76.57 35,76.55 34.71,76.56 34.43,76.59 34.15,76.65 33.88,76.72 33.61,76.83 33.35,76.95 33.1,77.09 32.86,77.26 32.64,77.44 32.44,77.64 32.25,77.86 32.08,78.09 31.93,78.34 31.8,78.6 31.69,78.86 31.6,79.14 31.54,79.42 31.5,79.71 31.49,80 31.5,80.29 31.53,80.58 31.59,80.86 31.67,81.14 31.77,81.42 31.89,81.68 32.04,81.93 32.21,82.17 32.39,82.4 32.6,82.61 32.82,82.8 33.06,82.97 33.31,83.13 33.57,83.26 33.84,83.37 34.12,83.46 34.41,83.52 34.71,83.56 35,83.58 35.3,83.57 35.59,83.53 35.88,83.48 36.17,83.39 36.44,83.29 36.71,83.16 36.97,83.01 37.21,82.84 37.44,82.65 37.65,82.44 37.85,82.22 38.03,81.98 38.18,81.72 38.32,81.45 38.43,81.18 38.52,80.89 38.58,80.6 38.62,80.3 38.64,80 38.63,79.7 38.59,79.4 38.54,79.1 38.45,78.81 38.35,78.53 38.22,78.26 38.06,78 37.89,77.75 37.7,77.52 37.49,77.3 37.26,77.1 37.01,76.92 36.75,76.76 36.48,76.63 36.2,76.51 35.91,76.42 35.61,76.36 35.31,76.32 35,76.3 34.71,76.31 34.42,76.34 34.13,76.39 33.85,76.47 33.58,76.57 33.31,76.69 33.06,76.83 32.81,76.99 32.58,77.17 32.36,77.36 32.16,77.57 31.98,77.8 31.81,78.05 31.66,78.3 31.54,78.57 31.43,78.84 31.35,79.12 31.29,79.41 31.25,79.71 31.24,80 31.25,80.3 31.28,80.59 31.33,80.88 31.41,81.17 31.51,81.45 31.63,81.72 31.77,81.98 31.94,82.23 32.12,82.46 32.32,82.68 32.53,82.89 32.77,83.07 33.01,83.24 33.27,83.39 33.54,83.52 33.82,83.63 34.11,83.71 34.4,83.77 34.7,83.81 35,83.83 35.3,83.82 35.6,83.78 35.9,83.73 36.19,83.65 36.47,83.55 36.75,83.42 37.01,83.28 37.26,83.11 37.5,82.93 37.73,82.73 37.93,82.51 38.12,82.27 38.3,82.02 38.45,81.76 38.58,81.48 38.69,81.2 38.77,80.91 38.83,80.61 38.87,80.3 38.89,80 38.88,79.69 38.85,79.39 38.79,79.09 38.71,78.79 38.61,78.51 38.48,78.23 38.33,77.96 38.17,77.7 37.98,77.46 37.77,77.23 37.55,77.02 37.31,76.82 37.05,76.65 36.78,76.5 36.51,76.37 36.22,76.26 35.92,76.17 35.62,76.1 35.31,76.07 35,76.05 34.7,76.06 34.41,76.09 34.12,76.14 33.83,76.21 33.55,76.31 33.28,76.43 33.01,76.56 32.76,76.72 32.52,76.89 32.29,77.08 32.08,77.29 31.88,77.51 31.7,77.75 31.54,78 31.4,78.27 31.28,78.54 31.18,78.82 31.1,79.11 31.04,79.4 31,79.7 30.99,80 31,80.3 31.03,80.6 31.08,80.89 31.15,81.19 31.25,81.47 31.37,81.75 31.51,82.02 31.67,82.27 31.84,82.52 32.04,82.75 32.25,82.97 32.48,83.17 32.72,83.35 32.97,83.51 33.24,83.66 33.52,83.78 33.8,83.88 34.1,83.96 34.39,84.02 34.7,84.06 35,84.08 35.3,84.07 35.61,84.04 35.91,83.98 36.2,83.91 36.49,83.81 36.78,83.69 37.05,83.55 37.31,83.39 37.56,83.21 37.79,83.01 38.01,82.79 38.21,82.56 38.4,82.32 38.57,82.06 38.71,81.79 38.84,81.51 38.94,81.22 39.03,80.92 39.09,80.62 39.12,80.31 39.14,80 39.13,79.69 39.1,79.38 39.04,79.08 38.97,78.78 38.87,78.48 38.74,78.2 38.6,77.92 38.44,77.66 38.26,77.4 38.05,77.17 37.84,76.94 37.6,76.74 37.35,76.55 37.09,76.38 36.81,76.23 36.53,76.1 36.23,76 35.93,75.91 35.63,75.85 35.31,75.81 35,75.8 34.7,75.81 34.4,75.84 34.11,75.89 33.81,75.96 33.53,76.05 33.25,76.16 32.98,76.3 32.72,76.45 32.47,76.62 32.23,76.8 32.01,77.01 31.8,77.23 31.61,77.46 31.43,77.71 31.28,77.97 31.14,78.24 31.02,78.52 30.92,78.8 30.84,79.1 30.79,79.39 30.75,79.7 30.74,80 30.75,80.3 30.78,80.61 30.83,80.91 30.9,81.2 30.99,81.49 31.11,81.78 31.24,82.05 31.4,82.32 31.57,82.57 31.76,82.81 31.96,83.04 32.19,83.25 32.42,83.44 32.67,83.62 32.94,83.78 33.21,83.92 33.49,84.04 33.78,84.14 34.08,84.22 34.39,84.28 34.69,84.31 35,84.33 35.31,84.32 35.62,84.29 35.92,84.23 36.22,84.16 36.52,84.07 36.8,83.95 37.08,83.81 37.35,83.66 37.61,83.48 37.85,83.29 38.08,83.08 38.29,82.85 38.49,82.61 38.67,82.36 38.83,82.09 38.98,81.82 39.1,81.53 39.2,81.23 39.28,80.93 39.34,80.62 39.37,80.31 39.39,80 39.38,79.69 39.35,79.37 39.3,79.07 39.22,78.76 39.12,78.46 39.01,78.17 38.87,77.89 38.71,77.62 38.53,77.36 38.34,77.11 38.12,76.88 37.9,76.66 37.65,76.46 37.39,76.28 37.12,76.11 36.84,75.97 36.55,75.84 36.25,75.74 35.94,75.66 35.63,75.6 35.32,75.56 35,75.55 35,75.35 v1(35.35,75) ; 35.41,63.98 35.36,63.96 35,63.6 35,63.55 34.79,63.56 34.59,63.6 34.39,63.67 34.2,63.76 34.03,63.88 33.88,64.03 33.75,64.19 33.64,64.38 33.56,64.58 33.51,64.79 33.49,65 33.5,65.22 33.54,65.43 33.61,65.64 33.71,65.83 33.84,66.01 33.99,66.17 34.16,66.31 34.35,66.42 34.56,66.5 34.78,66.55 35,66.58 35.22,66.56 35.45,66.52 35.66,66.45 35.86,66.34 36.05,66.21 36.22,66.05 36.36,65.87 36.47,65.67 36.56,65.46 36.62,65.23 36.64,65 36.63,64.77 36.58,64.54 36.51,64.31 36.4,64.1 36.26,63.91 36.09,63.74 35.91,63.59 35.7,63.47 35.48,63.38 35.24,63.32 35,63.3 34.78,63.31 34.56,63.35 34.34,63.41 34.14,63.51 33.95,63.63 33.78,63.78 33.62,63.94 33.49,64.13 33.39,64.33 33.31,64.55 33.26,64.77 33.24,65 33.25,65.23 33.29,65.46 33.36,65.68 33.46,65.89 33.58,66.09 33.73,66.27 33.9,66.43 34.1,66.56 34.31,66.67 34.53,66.75 34.76,66.8 35,66.83 35.24,66.81 35.48,66.77 35.7,66.7 35.92,66.6 36.13,66.47 36.31,66.31 36.48,66.13 36.62,65.93 36.73,65.72 36.81,65.49 36.87,65.25 36.89,65 36.88,64.75 36.83,64.51 36.76,64.27 36.65,64.05 36.52,63.84 36.36,63.64 36.17,63.47 35.96,63.33 35.74,63.21 35.5,63.13 35.25,63.07 35,63.05 34.76,63.06 34.53,63.1 34.3,63.16 34.08,63.26 33.88,63.38 33.69,63.52 33.52,63.68 33.36,63.87 33.24,64.07 33.13,64.29 33.06,64.52 33.01,64.76 32.99,65 33,65.24 33.04,65.48 33.1,65.72 33.2,65.94 33.32,66.16 33.47,66.35 33.64,66.53 33.83,66.69 34.04,66.82 34.27,66.93 34.51,67.01 34.75,67.06 35,67.08 35.25,67.06 35.5,67.02 35.74,66.95 35.97,66.85 